# Allegro board 6089-119-RevB_08.brd (continued)
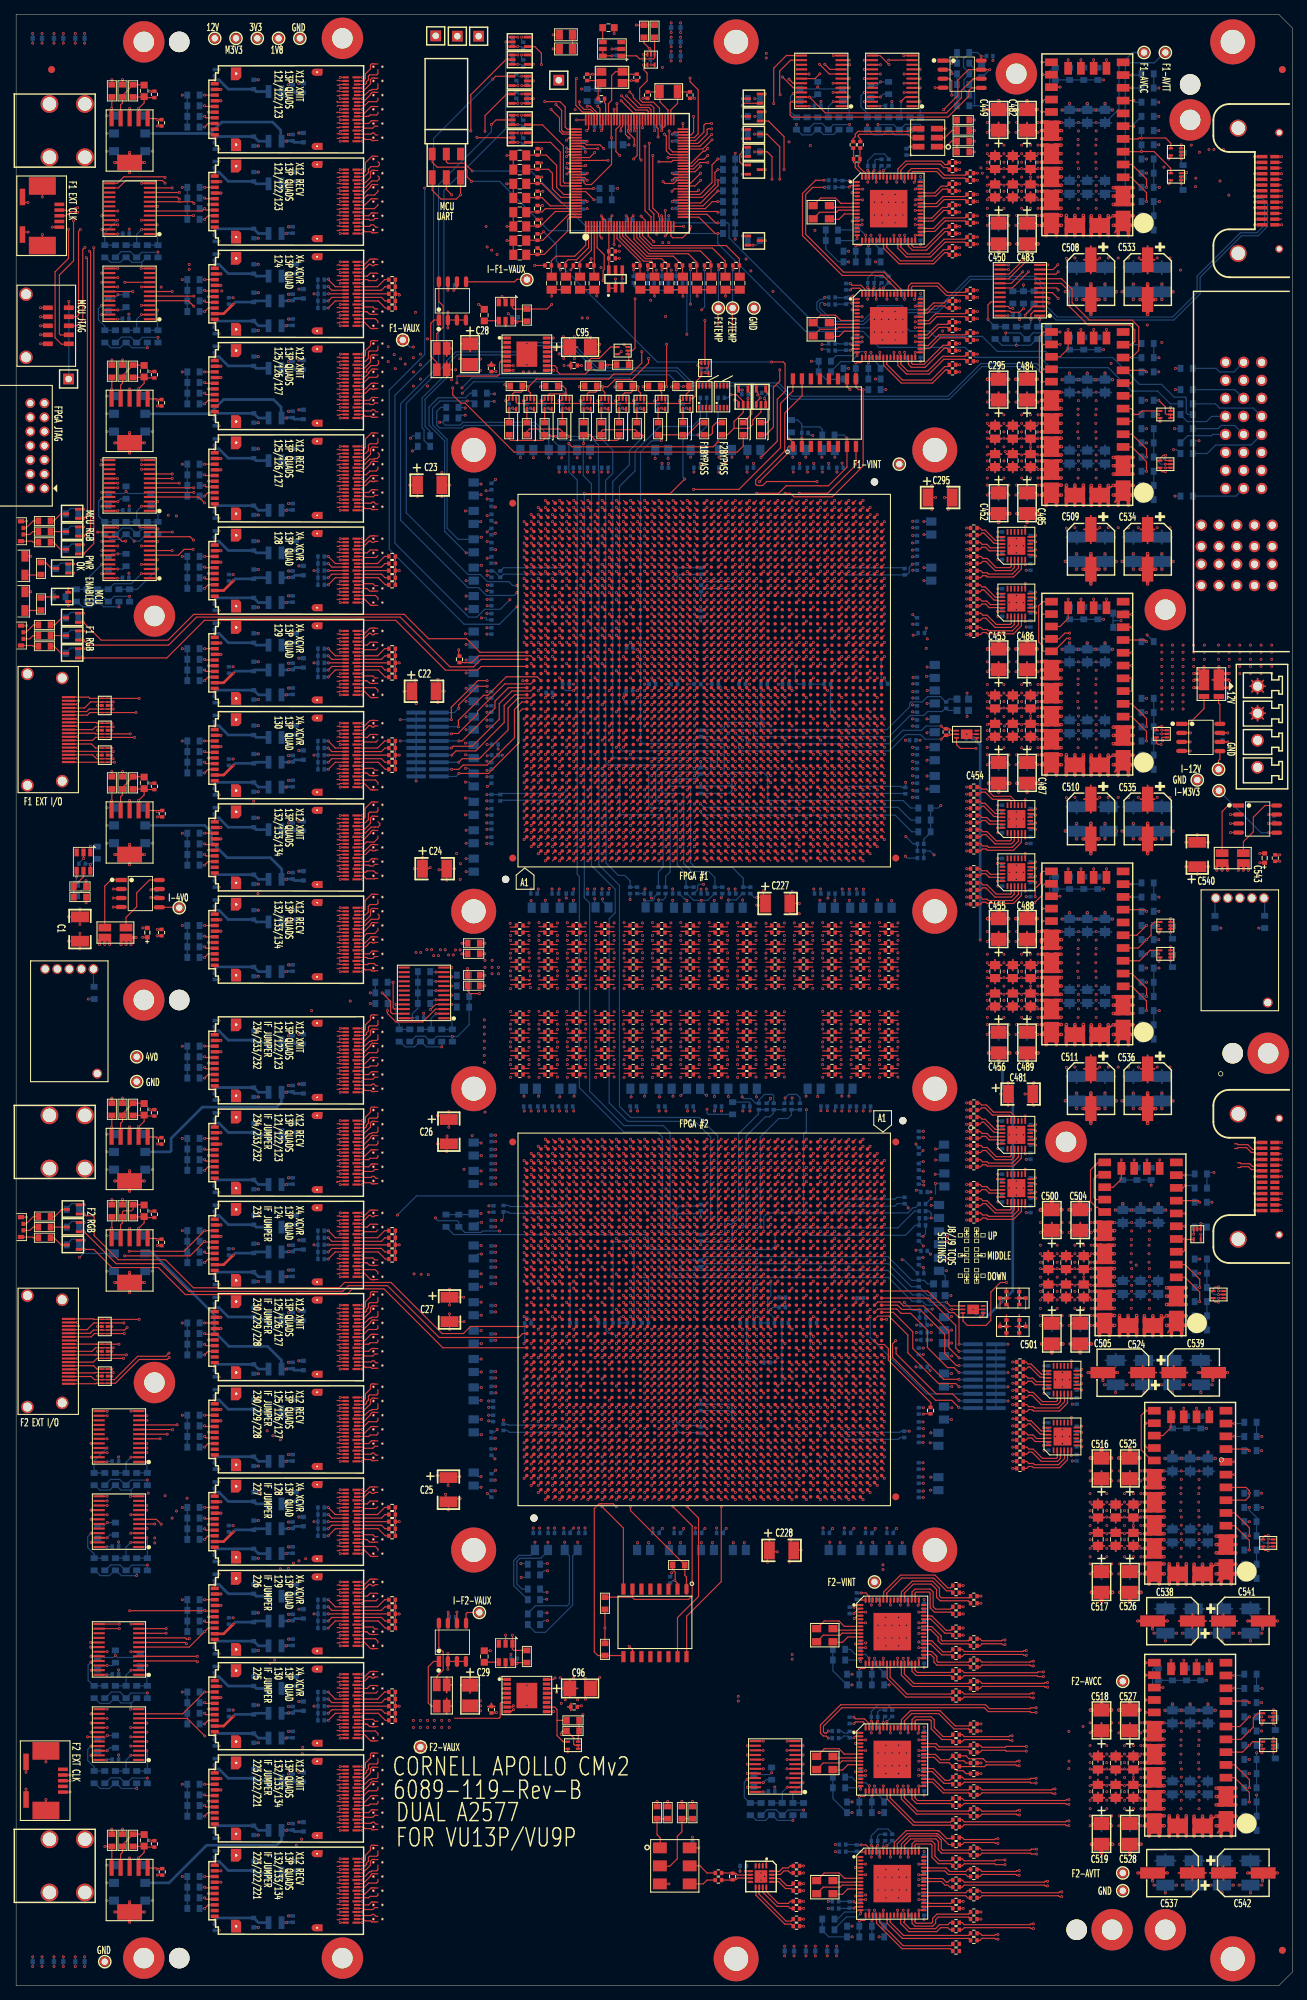
[diagram p0: board, top side]
## Routing (per net, layer and track width the routed paths; a pad name or vN(x,y) marks a point on that pad's centre or on a via; arc(x,y) is an arc through that point) (continued)
; VA51.4 52.02,145.4 ; VA51.4 51.96,145.08 ; VA51.4 51.82,145.81 ; 51.63,188.52 VA34.4 ; VA34.4 52.02,188.9 ; VA34.4 51.63,189.28 ; VA34.4 52.05,188.71 ; VA34.4 51.96,189.22 ; VA34.4 52.05,189.09 ; VA34.4 51.82,189.31 ; VA34.4 51.96,188.58 ; 49.95,87.59 VA74.3 ; VA74.3 49.98,87.4 ; VA74.3 50.04,87.72 ; VA74.3 50.18,86.99 ; VA74.3 50.04,87.08 ; VA74.3 50.37,87.02 ; VA74.3 49.95,87.21 ; VA74.3 50.37,87.78 ; VA74.4 52.05,87.59 ; VA74.4 51.63,87.78 ; VA74.4 51.96,87.08 ; VA74.4 51.96,87.72 ; VA74.4 52.02,87.4 ; VA74.4 51.63,87.02 ; VA74.4 51.82,87.81 ; VA74.4 52.05,87.21 ; 49.95,130.59 VA56.3 ; VA56.3 50.04,130.08 ; VA56.3 50.18,129.99 ; VA56.3 50.04,130.72 ; VA56.3 50.37,130.02 ; VA56.3 49.98,130.4 ; VA56.3 50.37,130.78 ; VA56.3 49.95,130.21 ; VA83.3 52.02,62.9 ; VA83.3 51.63,62.52 ; VA83.3 51.96,63.22 ; VA83.3 51.82,63.31 ; VA83.3 52.05,63.09 ; VA83.3 51.63,63.28 ; VA83.3 52.05,62.71 ; VA83.3 51.96,62.58 ; 49.95,260.59 VA6.3 ; VA6.3 50.18,259.99 ; VA6.3 50.37,260.78 ; VA6.3 49.95,260.21 ; VA6.3 50.04,260.72 ; VA6.3 49.98,260.4 ; VA6.3 50.37,260.02 ; VA6.3 50.04,260.08 ; VA53.3 50.37,136.78 ; VA53.3 50.04,136.08 ; VA53.3 50.37,136.02 ; VA53.3 50.18,135.99 ; VA53.3 49.95,136.59 ; VA53.3 49.98,136.4 ; VA53.3 49.95,136.21 ; VA53.3 50.04,136.72 ; 51.63,80.02 VA77.4 ; VA77.4 51.96,80.72 ; VA77.4 51.63,80.78 ; VA77.4 52.02,80.4 ; VA77.4 52.05,80.59 ; VA77.4 51.82,80.81 ; VA77.4 52.05,80.21 ; VA77.4 51.96,80.08 ; VA53.4 51.96,136.72 ; VA53.4 52.02,136.4 ; VA53.4 52.05,136.21 ; VA53.4 51.63,136.02 ; VA53.4 51.63,136.78 ; VA53.4 51.96,136.08 ; VA53.4 51.82,136.81 ; VA53.4 52.05,136.59 ; 49.98,156.4 VA46.3 ; VA46.3 50.04,156.72 ; VA46.3 50.04,156.08 ; VA46.3 50.37,156.78 ; VA46.3 50.37,156.02 ; VA46.3 49.95,156.59 ; VA46.3 50.18,155.99 ; VA46.3 49.95,156.21 ; 50.18,146.99 VA50.3 ; VA50.3 50.37,147.02 ; VA50.3 50.04,147.72 ; VA50.3 49.98,147.4 ; VA50.3 50.37,147.78 ; VA50.3 49.95,147.21 ; VA50.3 49.95,147.59 ; VA50.3 50.04,147.08 ; 49.98,56.9 VA85.3 ; VA85.3 50.37,56.52 ; VA85.3 49.95,56.71 ; VA85.3 50.04,56.58 ; VA85.3 50.37,57.28 ; VA85.3 50.18,56.49 ; VA85.3 50.04,57.22 ; VA85.3 49.95,57.09 ; VA39.3 52.05,171.09 ; VA39.3 51.63,171.28 ; VA39.3 52.02,170.9 ; VA39.3 51.96,170.58 ; VA39.3 51.63,170.52 ; VA39.3 51.82,171.31 ; VA39.3 52.05,170.71 ; VA39.3 51.96,171.22 ; VA49.4 52.05,149.59 ; VA49.4 51.63,149.02 ; VA49.4 51.82,149.81 ; VA49.4 51.96,149.72 ; VA49.4 52.05,149.21 ; VA49.4 51.63,149.78 ; VA49.4 52.02,149.4 ; VA49.4 51.96,149.08 ; 50.04,95.08 VA70.3 ; VA70.3 49.95,95.59 ; VA70.3 50.37,95.02 ; VA70.3 50.18,94.99 ; VA70.3 50.37,95.78 ; VA70.3 50.04,95.72 ; VA70.3 49.95,95.21 ; VA70.3 49.98,95.4 ; VA20.4 51.82,225.81 ; VA20.4 51.63,225.78 ; VA20.4 52.05,225.21 ; VA20.4 51.63,225.02 ; VA20.4 51.96,225.72 ; VA20.4 51.96,225.08 ; VA20.4 52.02,225.4 ; VA20.4 52.05,225.59 ; PM24.1 167.38,169.9 ; PM24.1 165.62,169.9 ; PM24.1 166.5,169.02 ; PM24.1 166.5,170.78 ; PM24.1 167.17,170.57 ; PM24.1 167.17,169.23 ; PM24.1 165.83,170.57 ; PM24.1 165.83,169.23 ; VA1.4 52.02,270.4 ; VA1.4 52.05,270.21 ; VA1.4 52.05,270.59 ; VA1.4 51.63,270.02 ; VA1.4 51.96,270.08 ; VA1.4 51.63,270.78 ; VA1.4 51.82,270.81 ; VA1.4 51.96,270.72 ; VA41.4 51.82,166.81 ; VA41.4 52.02,166.4 ; VA41.4 51.96,166.08 ; VA41.4 51.63,166.02 ; VA41.4 52.05,166.59 ; VA41.4 51.63,166.78 ; VA41.4 51.96,166.72 ; VA41.4 52.05,166.21 ; 51.63,128.02 VA57.4 ; VA57.4 51.82,128.81 ; VA57.4 51.96,128.08 ; VA57.4 52.02,128.4 ; VA57.4 51.96,128.72 ; VA57.4 52.05,128.59 ; VA57.4 52.05,128.21 ; VA57.4 51.63,128.78 ; VA11.4 52.05,249.59 ; VA11.4 52.02,249.4 ; VA11.4 51.63,249.78 ; VA11.4 51.63,249.02 ; VA11.4 51.82,249.81 ; VA11.4 52.05,249.21 ; VA11.4 51.96,249.72 ; VA11.4 51.96,249.08 ; 50.04,128.08 VA57.3 ; VA57.3 50.18,127.99 ; VA57.3 50.37,128.78 ; VA57.3 50.37,128.02 ; VA57.3 49.95,128.59 ; VA57.3 49.95,128.21 ; VA57.3 49.98,128.4 ; VA57.3 50.04,128.72 ; 50.04,134.08 VA54.3 ; VA54.3 50.04,134.72 ; VA54.3 50.18,133.99 ; VA54.3 49.95,134.21 ; VA54.3 49.95,134.59 ; VA54.3 50.37,134.78 ; VA54.3 50.37,134.02 ; VA54.3 49.98,134.4 ; 50.04,24.72 VA97.3 ; VA97.3 50.37,24.02 ; VA97.3 50.18,23.99 ; VA97.3 50.04,24.08 ; VA97.3 49.95,24.21 ; VA97.3 49.98,24.4 ; VA97.3 49.95,24.59 ; VA97.3 50.37,24.78 ; VA14.4 52.02,240.9 ; VA14.4 51.63,241.28 ; VA14.4 52.05,241.09 ; VA14.4 51.96,240.58 ; VA14.4 51.82,241.31 ; VA14.4 51.96,241.22 ; VA14.4 52.05,240.71 ; VA14.4 51.63,240.52 ; VA3.4 51.96,266.08 ; VA3.4 51.63,266.02 ; VA3.4 51.82,266.81 ; VA3.4 51.63,266.78 ; VA3.4 51.96,266.72 ; VA3.4 52.05,266.59 ; VA3.4 52.05,266.21 ; VA3.4 52.02,266.4 ; 50.04,227.08 VA19.3 ; VA19.3 50.04,227.72 ; VA19.3 49.95,227.59 ; VA19.3 50.18,226.99 ; VA19.3 49.98,227.4 ; VA19.3 49.95,227.21 ; VA19.3 50.37,227.02 ; VA19.3 50.37,227.78 ; VA25.4 52.05,214.59 ; VA25.4 52.05,214.21 ; VA25.4 52.02,214.4 ; VA25.4 51.96,214.72 ; VA25.4 51.63,214.02 ; VA25.4 51.63,214.78 ; VA25.4 51.96,214.08 ; VA25.4 51.82,214.81 ; VA89.4 51.96,43.58 ; VA89.4 51.63,43.52 ; VA89.4 52.05,44.09 ; VA89.4 51.63,44.28 ; VA89.4 51.82,44.31 ; VA89.4 52.05,43.71 ; VA89.4 51.96,44.22 ; VA89.4 52.02,43.9 ; VA65.4 51.63,109.28 ; VA65.4 51.96,108.58 ; VA65.4 51.82,109.31 ; VA65.4 52.05,109.09 ; VA65.4 51.63,108.52 ; VA65.4 52.05,108.71 ; VA65.4 51.96,109.22 ; VA65.4 52.02,108.9 ; 5.69,185.07 J5.22 ; J5.22 6.5,185.33 ; J5.22 7.31,185.07 ; J5.22 5.69,183.46 ; J5.22 6.5,183.2 ; J5.22 7.31,183.46 ; J5.22 5.43,184.26 ; J5.22 7.57,184.26 ; VA47.4 51.96,153.08 ; VA47.4 52.05,153.21 ; VA47.4 52.05,153.59 ; VA47.4 51.63,153.78 ; VA47.4 52.02,153.4 ; VA47.4 51.96,153.72 ; VA47.4 51.63,153.02 ; VA47.4 51.82,153.81 ; 5.43,82.14 J6.21 ; J6.21 7.31,82.94 ; J6.21 5.69,82.94 ; J6.21 6.5,81.07 ; J6.21 6.5,83.2 ; J6.21 7.57,82.14 ; J6.21 7.31,81.33 ; J6.21 5.69,81.33 ; 103.33,235.73 PM16.1 ; PM16.1 104,237.28 ; PM16.1 104.67,235.73 ; PM16.1 104,235.52 ; PM16.1 103.12,236.4 ; PM16.1 104.67,237.07 ; PM16.1 103.33,237.07 ; PM16.1 104.88,236.4 ; VA82.4 52.05,68.09 ; VA82.4 51.82,68.31 ; VA82.4 52.02,67.9 ; VA82.4 51.96,68.22 ; VA82.4 51.63,68.28 ; VA82.4 51.96,67.58 ; VA82.4 51.63,67.52 ; VA82.4 52.05,67.71 ; 49.95,225.21 VA20.3 ; VA20.3 50.18,224.99 ; VA20.3 50.37,225.02 ; VA20.3 50.04,225.72 ; VA20.3 50.37,225.78 ; VA20.3 49.95,225.59 ; VA20.3 50.04,225.08 ; VA20.3 49.98,225.4 ; VA7.4 52.05,257.59 ; VA7.4 52.05,257.21 ; VA7.4 52.02,257.4 ; VA7.4 51.96,257.72 ; VA7.4 51.82,257.81 ; VA7.4 51.63,257.02 ; VA7.4 51.63,257.78 ; VA7.4 51.96,257.08 ; VA54.4 52.05,134.21 ; VA54.4 51.63,134.78 ; VA54.4 51.82,134.81 ; VA54.4 51.96,134.08 ; VA54.4 52.05,134.59 ; VA54.4 51.96,134.72 ; VA54.4 52.02,134.4 ; VA54.4 51.63,134.02 ; VA22.4 51.96,221.72 ; VA22.4 51.63,221.02 ; VA22.4 52.05,221.21 ; VA22.4 52.02,221.4 ; VA22.4 51.82,221.81 ; VA22.4 51.63,221.78 ; VA22.4 51.96,221.08 ; VA22.4 52.05,221.59 ; 50.37,80.02 VA77.3 ; VA77.3 49.98,80.4 ; VA77.3 50.37,80.78 ; VA77.3 50.04,80.72 ; VA77.3 50.04,80.08 ; VA77.3 50.18,79.99 ; VA77.3 49.95,80.59 ; VA77.3 49.95,80.21 ; 49.95,216.59 VA24.3 ; VA24.3 50.37,216.78 ; VA24.3 50.04,216.08 ; VA24.3 49.95,216.21 ; VA24.3 50.37,216.02 ; VA24.3 50.04,216.72 ; VA24.3 49.98,216.4 ; VA24.3 50.18,215.99 ; 49.95,170.71 VA39.4 ; VA39.4 50.04,170.58 ; VA39.4 50.04,171.22 ; VA39.4 50.37,171.28 ; VA39.4 50.18,170.49 ; VA39.4 50.37,170.52 ; VA39.4 49.98,170.9 ; VA39.4 49.95,171.09 ; VA88.3 52.05,47.71 ; VA88.3 51.96,48.22 ; VA88.3 52.02,47.9 ; VA88.3 51.82,48.31 ; VA88.3 51.96,47.58 ; VA88.3 51.63,48.28 ; VA88.3 51.63,47.52 ; VA88.3 52.05,48.09 ; VA16.3 51.96,234.22 ; VA16.3 51.82,234.31 ; VA16.3 51.63,233.52 ; VA16.3 51.63,234.28 ; VA16.3 52.02,233.9 ; VA16.3 51.96,233.58 ; VA16.3 52.05,233.71 ; VA16.3 52.05,234.09 ; 51.63,78.02 VA78.4 ; VA78.4 52.05,78.21 ; VA78.4 52.02,78.4 ; VA78.4 51.96,78.08 ; VA78.4 51.82,78.81 ; VA78.4 51.63,78.78 ; VA78.4 51.96,78.72 ; VA78.4 52.05,78.59 ; VA78.3 50.37,78.78 ; VA78.3 50.04,78.72 ; VA78.3 49.98,78.4 ; VA78.3 50.37,78.02 ; VA78.3 49.95,78.59 ; VA78.3 49.95,78.21 ; VA78.3 50.18,77.99 ; VA78.3 50.04,78.08 ; VA72.4 51.96,91.08 ; VA72.4 52.05,91.21 ; VA72.4 52.02,91.4 ; VA72.4 51.96,91.72 ; VA72.4 51.63,91.78 ; VA72.4 52.05,91.59 ; VA72.4 51.82,91.81 ; VA72.4 51.63,91.02 ; 50.18,207.99 VA28.3 ; VA28.3 50.04,208.72 ; VA28.3 50.37,208.02 ; VA28.3 50.37,208.78 ; VA28.3 50.04,208.08 ; VA28.3 49.95,208.21 ; VA28.3 49.95,208.59 ; VA28.3 49.98,208.4 ; 50.37,89.02 VA73.3 ; VA73.3 49.95,89.59 ; VA73.3 50.18,88.99 ; VA73.3 50.04,89.08 ; VA73.3 50.37,89.78 ; VA73.3 50.04,89.72 ; VA73.3 49.98,89.4 ; VA73.3 49.95,89.21 ; VA103.4 52.02,11.4 ; VA103.4 51.96,11.08 ; VA103.4 51.82,11.81 ; VA103.4 52.05,11.59 ; VA103.4 51.96,11.72 ; VA103.4 52.05,11.21 ; VA103.4 51.63,11.78 ; VA103.4 51.63,11.02 ; VA86.4 51.96,55.22 ; VA86.4 52.05,54.71 ; VA86.4 51.63,55.28 ; VA86.4 51.82,55.31 ; VA86.4 51.96,54.58 ; VA86.4 52.02,54.9 ; VA86.4 51.63,54.52 ; VA86.4 52.05,55.09 ; 51.63,164.02 VA42.4 ; VA42.4 51.82,164.81 ; VA42.4 52.05,164.59 ; VA42.4 52.05,164.21 ; VA42.4 51.63,164.78 ; VA42.4 51.96,164.72 ; VA42.4 51.96,164.08 ; VA42.4 52.02,164.4 ; VA45.4 52.05,158.59 ; VA45.4 51.96,158.08 ; VA45.4 51.82,158.81 ; VA45.4 52.02,158.4 ; VA45.4 51.96,158.72 ; VA45.4 51.63,158.02 ; VA45.4 51.63,158.78 ; VA45.4 52.05,158.21 ; VA2.4 52.05,268.59 ; VA2.4 51.63,268.02 ; VA2.4 52.02,268.4 ; VA2.4 52.05,268.21 ; VA2.4 51.63,268.78 ; VA2.4 51.96,268.08 ; VA2.4 51.96,268.72 ; VA2.4 51.82,268.81 ; 49.95,223.21 VA21.3 ; VA21.3 49.95,223.59 ; VA21.3 50.04,223.72 ; VA21.3 50.37,223.02 ; VA21.3 49.98,223.4 ; VA21.3 50.18,222.99 ; VA21.3 50.04,223.08 ; VA21.3 50.37,223.78 ; VA55.4 52.05,132.59 ; VA55.4 51.82,132.81 ; VA55.4 51.63,132.02 ; VA55.4 51.96,132.72 ; VA55.4 51.63,132.78 ; VA55.4 52.05,132.21 ; VA55.4 51.96,132.08 ; VA55.4 52.02,132.4 ; 50.37,115.02 VA63.3 ; VA63.3 49.95,115.21 ; VA63.3 49.95,115.59 ; VA63.3 49.98,115.4 ; VA63.3 50.04,115.08 ; VA63.3 50.18,114.99 ; VA63.3 50.37,115.78 ; VA63.3 50.04,115.72 ; VA23.4 52.02,218.4 ; VA23.4 51.82,218.81 ; VA23.4 51.63,218.02 ; VA23.4 52.05,218.59 ; VA23.4 52.05,218.21 ; VA23.4 51.96,218.72 ; VA23.4 51.96,218.08 ; VA23.4 51.63,218.78 ; 49.95,212.59 VA26.3 ; VA26.3 49.95,212.21 ; VA26.3 50.37,212.02 ; VA26.3 49.98,212.4 ; VA26.3 50.04,212.08 ; VA26.3 50.37,212.78 ; VA26.3 50.04,212.72 ; VA26.3 50.18,211.99 ; 49.95,231.59 VA17.3 ; VA17.3 50.04,231.72 ; VA17.3 50.18,230.99 ; VA17.3 49.98,231.4 ; VA17.3 50.37,231.78 ; VA17.3 50.04,231.08 ; VA17.3 49.95,231.21 ; VA17.3 50.37,231.02 ; 51.63,175.52 VA38.4 ; VA38.4 51.96,176.22 ; VA38.4 52.05,176.09 ; VA38.4 51.96,175.58 ; VA38.4 52.05,175.71 ; VA38.4 51.82,176.31 ; VA38.4 51.63,176.28 ; VA38.4 52.02,175.9 ; VA84.3 51.96,60.58 ; VA84.3 51.63,61.28 ; VA84.3 52.05,61.09 ; VA84.3 51.82,61.31 ; VA84.3 51.96,61.22 ; VA84.3 52.05,60.71 ; VA84.3 51.63,60.52 ; VA84.3 52.02,60.9 ; VA80.4 51.96,74.72 ; VA80.4 51.82,74.81 ; VA80.4 51.63,74.02 ; VA80.4 52.05,74.59 ; VA80.4 52.05,74.21 ; VA80.4 51.96,74.08 ; VA80.4 52.02,74.4 ; VA80.4 51.63,74.78 ; 50.04,255.72 VA8.3 ; VA8.3 49.95,255.21 ; VA8.3 49.98,255.4 ; VA8.3 50.37,255.02 ; VA8.3 49.95,255.59 ; VA8.3 50.18,254.99 ; VA8.3 50.04,255.08 ; VA8.3 50.37,255.78 ; 5.69,97.47 J6.22 ; J6.22 7.57,96.66 ; J6.22 5.43,96.66 ; J6.22 6.5,97.73 ; J6.22 6.5,95.6 ; J6.22 7.31,95.86 ; J6.22 7.31,97.47 ; J6.22 5.69,95.86 ; 50.04,210.08 VA27.3 ; VA27.3 49.98,210.4 ; VA27.3 50.04,210.72 ; VA27.3 50.37,210.02 ; VA27.3 49.95,210.59 ; VA27.3 50.37,210.78 ; VA27.3 50.18,209.99 ; VA27.3 49.95,210.21 ; VA91.3 52.02,36.9 ; VA91.3 51.63,36.52 ; VA91.3 52.05,37.09 ; VA91.3 51.63,37.28 ; VA91.3 52.05,36.71 ; VA91.3 51.96,37.22 ; VA91.3 51.96,36.58 ; VA91.3 51.82,37.31 ; VA19.4 52.05,227.21 ; VA19.4 51.96,227.72 ; VA19.4 52.02,227.4 ; VA19.4 51.63,227.02 ; VA19.4 52.05,227.59 ; VA19.4 51.96,227.08 ; VA19.4 51.82,227.81 ; VA19.4 51.63,227.78 ; 50.37,76.02 VA79.3 ; VA79.3 49.95,76.21 ; VA79.3 50.04,76.08 ; VA79.3 49.95,76.59 ; VA79.3 50.04,76.72 ; VA79.3 50.18,75.99 ; VA79.3 49.98,76.4 ; VA79.3 50.37,76.78 ; 50.04,74.72 VA80.3 ; VA80.3 50.18,73.99 ; VA80.3 50.04,74.08 ; VA80.3 50.37,74.78 ; VA80.3 49.95,74.21 ; VA80.3 49.98,74.4 ; VA80.3 50.37,74.02 ; VA80.3 49.95,74.59 ; VA52.4 51.63,143.78 ; VA52.4 51.63,143.02 ; VA52.4 52.02,143.4 ; VA52.4 52.05,143.59 ; VA52.4 51.82,143.81 ; VA52.4 51.96,143.72 ; VA52.4 52.05,143.21 ; VA52.4 51.96,143.08 ; 50.37,93.02 VA71.3 ; VA71.3 50.37,93.78 ; VA71.3 50.18,92.99 ; VA71.3 50.04,93.72 ; VA71.3 49.95,93.21 ; VA71.3 50.04,93.08 ; VA71.3 49.98,93.4 ; VA71.3 49.95,93.59 ; 50.37,175.52 VA38.3 ; VA38.3 49.95,176.09 ; VA38.3 50.18,175.49 ; VA38.3 50.04,175.58 ; VA38.3 50.37,176.28 ; VA38.3 50.04,176.22 ; VA38.3 49.98,175.9 ; VA38.3 49.95,175.71 ; VA94.4 51.96,30.08 ; VA94.4 52.05,30.21 ; VA94.4 52.02,30.4 ; VA94.4 52.05,30.59 ; VA94.4 51.96,30.72 ; VA94.4 51.63,30.78 ; VA94.4 51.63,30.02 ; VA94.4 51.82,30.81 ; 50.04,145.72 VA51.3 ; VA51.3 50.04,145.08 ; VA51.3 50.37,145.78 ; VA51.3 49.98,145.4 ; VA51.3 49.95,145.59 ; VA51.3 49.95,145.21 ; VA51.3 50.37,145.02 ; VA51.3 50.18,144.99 ; VA76.4 51.63,82.78 ; VA76.4 52.05,82.59 ; VA76.4 51.63,82.02 ; VA76.4 52.05,82.21 ; VA76.4 51.96,82.72 ; VA76.4 52.02,82.4 ; VA76.4 51.96,82.08 ; VA76.4 51.82,82.81 ; VA15.4 50.37,236.28 ; VA15.4 50.04,235.58 ; VA15.4 49.95,236.09 ; VA15.4 49.95,235.71 ; VA15.4 50.37,235.52 ; VA15.4 50.18,235.49 ; VA15.4 50.04,236.22 ; VA15.4 49.98,235.9 ; 50.04,117.72 VA62.3 ; VA62.3 49.95,117.59 ; VA62.3 50.18,116.99 ; VA62.3 49.98,117.4 ; VA62.3 49.95,117.21 ; VA62.3 50.37,117.78 ; VA62.3 50.37,117.02 ; VA62.3 50.04,117.08 ; 50.04,242.58 VA13.3 ; VA13.3 49.95,243.09 ; VA13.3 50.37,242.52 ; VA13.3 49.98,242.9 ; VA13.3 50.37,243.28 ; VA13.3 49.95,242.71 ; VA13.3 50.04,243.22 ; VA13.3 50.18,242.49 ; VA68.3 51.96,99.58 ; VA68.3 51.96,100.22 ; VA68.3 51.63,100.28 ; VA68.3 51.63,99.52 ; VA68.3 52.05,99.71 ; VA68.3 52.05,100.09 ; VA68.3 52.02,99.9 ; VA68.3 51.82,100.31 ; J6.20 1.6,82.62 ; J6.20 2.4,82.36 ; J6.20 1.6,80.48 ; J6.20 2.66,81.55 ; J6.20 2.05,82.6 ; J6.20 2.64,82 ; J6.20 2.4,80.75 ; J6.20 1.15,80.51 ; VA93.4 51.82,32.81 ; VA93.4 51.63,32.02 ; VA93.4 52.05,32.59 ; VA93.4 51.96,32.08 ; VA93.4 52.05,32.21 ; VA93.4 51.96,32.72 ; VA93.4 52.02,32.4 ; VA93.4 51.63,32.78 ; 50.04,253.08 VA9.3 ; VA9.3 50.37,253.78 ; VA9.3 49.95,253.59 ; VA9.3 49.98,253.4 ; VA9.3 49.95,253.21 ; VA9.3 50.18,252.99 ; VA9.3 50.04,253.72 ; VA9.3 50.37,253.02 ; VA36.3 51.96,182.22 ; VA36.3 51.63,182.28 ; VA36.3 51.82,182.31 ; VA36.3 52.05,182.09 ; VA36.3 52.02,181.9 ; VA36.3 51.96,181.58 ; VA36.3 51.63,181.52 ; VA36.3 52.05,181.71 ; 50.18,256.99 VA7.3 ; VA7.3 50.37,257.78 ; VA7.3 49.95,257.59 ; VA7.3 49.98,257.4 ; VA7.3 50.04,257.72 ; VA7.3 50.04,257.08 ; VA7.3 50.37,257.02 ; VA7.3 49.95,257.21 ; 50.04,61.22 VA84.4 ; VA84.4 50.37,61.28 ; VA84.4 50.37,60.52 ; VA84.4 49.98,60.9 ; VA84.4 49.95,60.71 ; VA84.4 50.04,60.58 ; VA84.4 50.18,60.49 ; VA84.4 49.95,61.09 ; 50.04,15.72 VA101.3 ; VA101.3 49.95,15.59 ; VA101.3 49.98,15.4 ; VA101.3 50.37,15.78 ; VA101.3 50.37,15.02 ; VA101.3 50.18,14.99 ; VA101.3 50.04,15.08 ; VA101.3 49.95,15.21 ; J5.23 2.4,185.65 ; J5.23 2.64,185.3 ; J5.23 2.05,185.89 ; J5.23 2.66,184.85 ; J5.23 1.6,183.78 ; J5.23 1.15,183.8 ; J5.23 2.4,184.04 ; J5.23 1.6,185.92 ; 39.33,273.73 PM9.1 ; PM9.1 39.33,275.07 ; PM9.1 40.67,275.07 ; PM9.1 39.12,274.4 ; PM9.1 40.88,274.4 ; PM9.1 40,275.28 ; PM9.1 40.67,273.73 ; PM9.1 40,273.52 ; 51.63,183.52 VA35.3 ; VA35.3 51.63,184.28 ; VA35.3 51.96,183.58 ; VA35.3 52.02,183.9 ; VA35.3 51.82,184.31 ; VA35.3 52.05,184.09 ; VA35.3 51.96,184.22 ; VA35.3 52.05,183.71 ; VA71.4 52.05,93.59 ; VA71.4 52.02,93.4 ; VA71.4 51.63,93.78 ; VA71.4 52.05,93.21 ; VA71.4 51.63,93.02 ; VA71.4 51.96,93.08 ; VA71.4 51.96,93.72 ; VA71.4 51.82,93.81 ; 49.98,9.4 VA104.3 ; VA104.3 50.18,8.99 ; VA104.3 50.37,9.78 ; VA104.3 50.04,9.72 ; VA104.3 50.37,9.02 ; VA104.3 49.95,9.21 ; VA104.3 50.04,9.08 ; VA104.3 49.95,9.59 ; VA30.4 51.96,202.22 ; VA30.4 51.63,201.52 ; VA30.4 52.05,201.71 ; VA30.4 52.05,202.09 ; VA30.4 51.82,202.31 ; VA30.4 51.63,202.28 ; VA30.4 52.02,201.9 ; VA30.4 51.96,201.58 ; VA28.4 51.96,208.72 ; VA28.4 52.02,208.4 ; VA28.4 51.82,208.81 ; VA28.4 51.63,208.02 ; VA28.4 51.63,208.78 ; VA28.4 52.05,208.59 ; VA28.4 51.96,208.08 ; VA28.4 52.05,208.21 ; 50.04,35.22 VA92.4 ; VA92.4 50.18,34.49 ; VA92.4 49.95,34.71 ; VA92.4 49.95,35.09 ; VA92.4 50.37,34.52 ; VA92.4 50.37,35.28 ; VA92.4 49.98,34.9 ; VA92.4 50.04,34.58 ; 50.04,160.08 VA44.3 ; VA44.3 49.98,160.4 ; VA44.3 50.37,160.02 ; VA44.3 49.95,160.21 ; VA44.3 50.37,160.78 ; VA44.3 49.95,160.59 ; VA44.3 50.18,159.99 ; VA44.3 50.04,160.72 ; 17,126.52 PM3.1 ; PM3.1 16.12,127.4 ; PM3.1 17.88,127.4 ; PM3.1 17,128.28 ; PM3.1 17.67,128.07 ; PM3.1 16.33,128.07 ; PM3.1 17.67,126.73 ; PM3.1 16.33,126.73 ; PM1.1 13.38,3.4 ; PM1.1 11.62,3.4 ; PM1.1 13.17,4.07 ; PM1.1 12.5,2.52 ; PM1.1 13.17,2.73 ; PM1.1 12.5,4.28 ; PM1.1 11.83,4.07 ; PM1.1 11.83,2.73 ; VA92.3 51.96,34.58 ; VA92.3 51.82,35.31 ; VA92.3 51.63,34.52 ; VA92.3 52.05,35.09 ; VA92.3 51.96,35.22 ; VA92.3 52.05,34.71 ; VA92.3 52.02,34.9 ; VA92.3 51.63,35.28 ; VA79.4 52.05,76.59 ; VA79.4 51.96,76.08 ; VA79.4 52.02,76.4 ; VA79.4 51.82,76.81 ; VA79.4 52.05,76.21 ; VA79.4 51.96,76.72 ; VA79.4 51.63,76.78 ; VA79.4 51.63,76.02 ; 50.04,202.22 VA30.3 ; VA30.3 49.95,202.09 ; VA30.3 50.37,201.52 ; VA30.3 50.18,201.49 ; VA30.3 50.04,201.58 ; VA30.3 49.98,201.9 ; VA30.3 50.37,202.28 ; VA30.3 49.95,201.71 ; VA43.4 51.96,162.08 ; VA43.4 51.63,162.78 ; VA43.4 52.05,162.21 ; VA43.4 52.05,162.59 ; VA43.4 52.02,162.4 ; VA43.4 51.82,162.81 ; VA43.4 51.63,162.02 ; VA43.4 51.96,162.72 ; 50.18,269.99 VA1.3 ; VA1.3 50.04,270.08 ; VA1.3 50.37,270.02 ; VA1.3 49.98,270.4 ; VA1.3 49.95,270.59 ; VA1.3 50.37,270.78 ; VA1.3 50.04,270.72 ; VA1.3 49.95,270.21 ; 49.98,113.4 VA64.3 ; VA64.3 49.95,113.59 ; VA64.3 49.95,113.21 ; VA64.3 50.18,112.99 ; VA64.3 50.37,113.02 ; VA64.3 50.04,113.08 ; VA64.3 50.04,113.72 ; VA64.3 50.37,113.78 ; 50.04,151.08 VA48.3 ; VA48.3 50.18,150.99 ; VA48.3 49.95,151.59 ; VA48.3 49.98,151.4 ; VA48.3 50.04,151.72 ; VA48.3 49.95,151.21 ; VA48.3 50.37,151.02 ; VA48.3 50.37,151.78